# Altium PCB UZ_A_Testboard.PcbDoc (part 1 of 2)
Units mm, origin at the board's own origin, x right, y up, seen from the top; angles counter-clockwise.
Board outline 160 x 100 mm, 4 copper layers (L01_TopLayer, L02_GND, L03_VCC, L04_BottomLayer), stack 1.57 mm thick; 57 components, 80 nets, 503 pads, 305 vias.
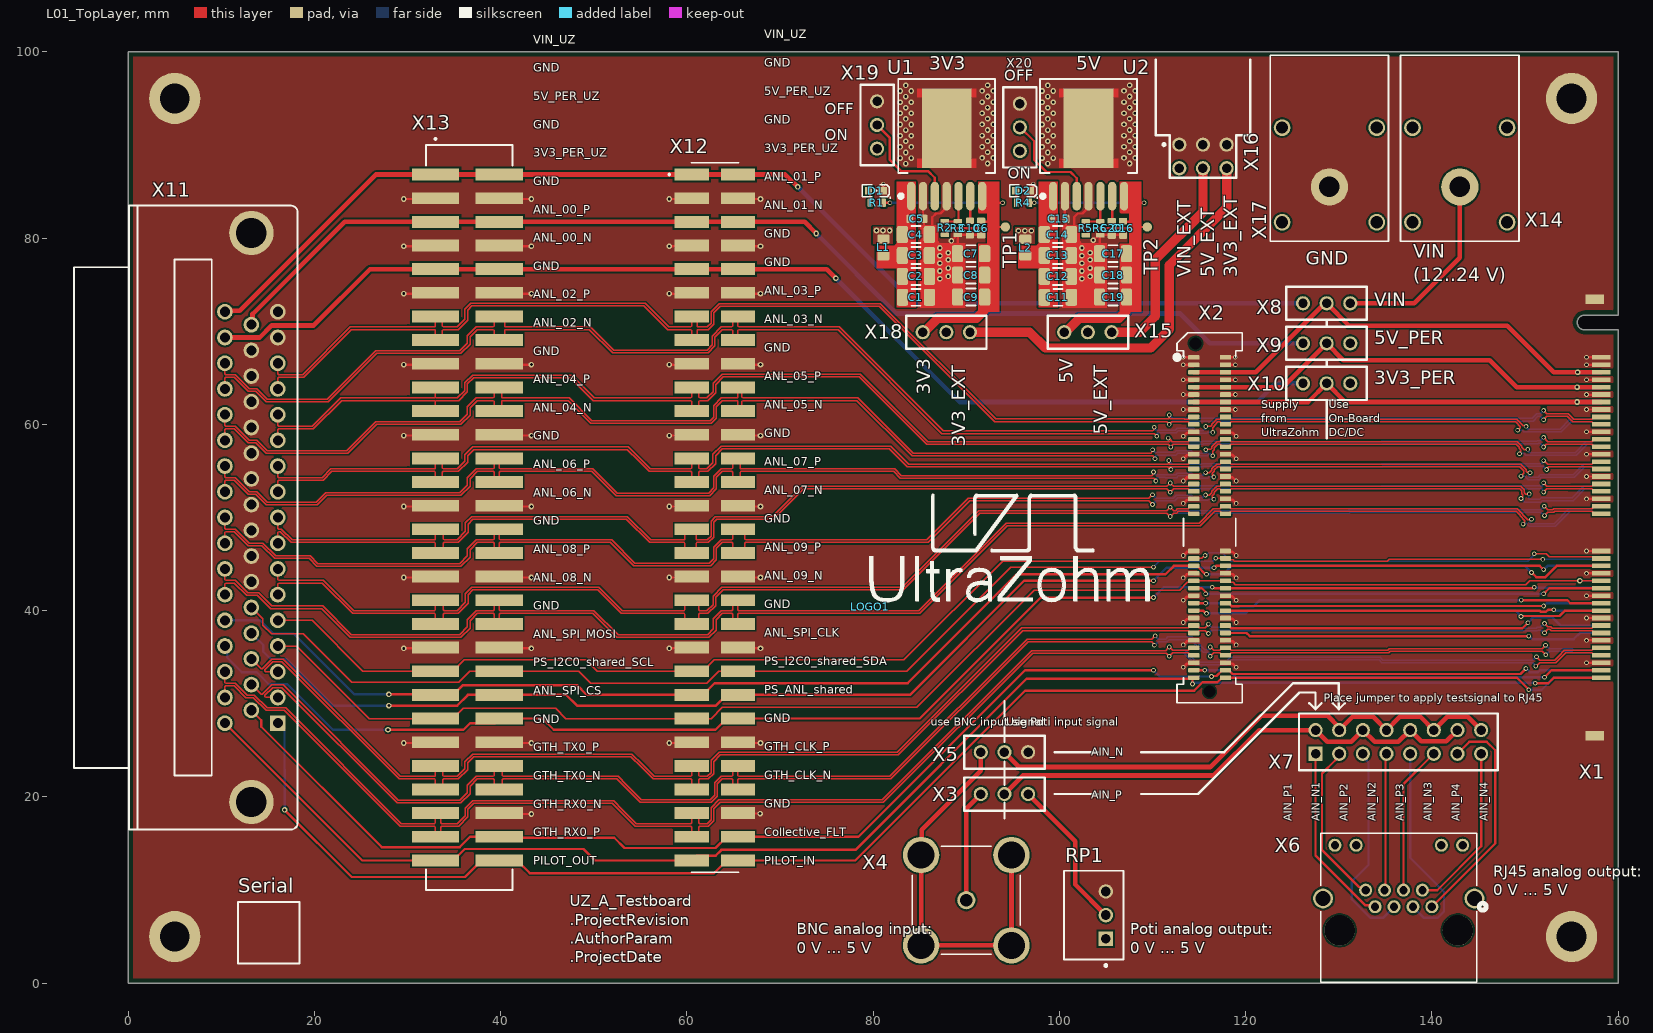
[diagram p0: L01_TopLayer view]
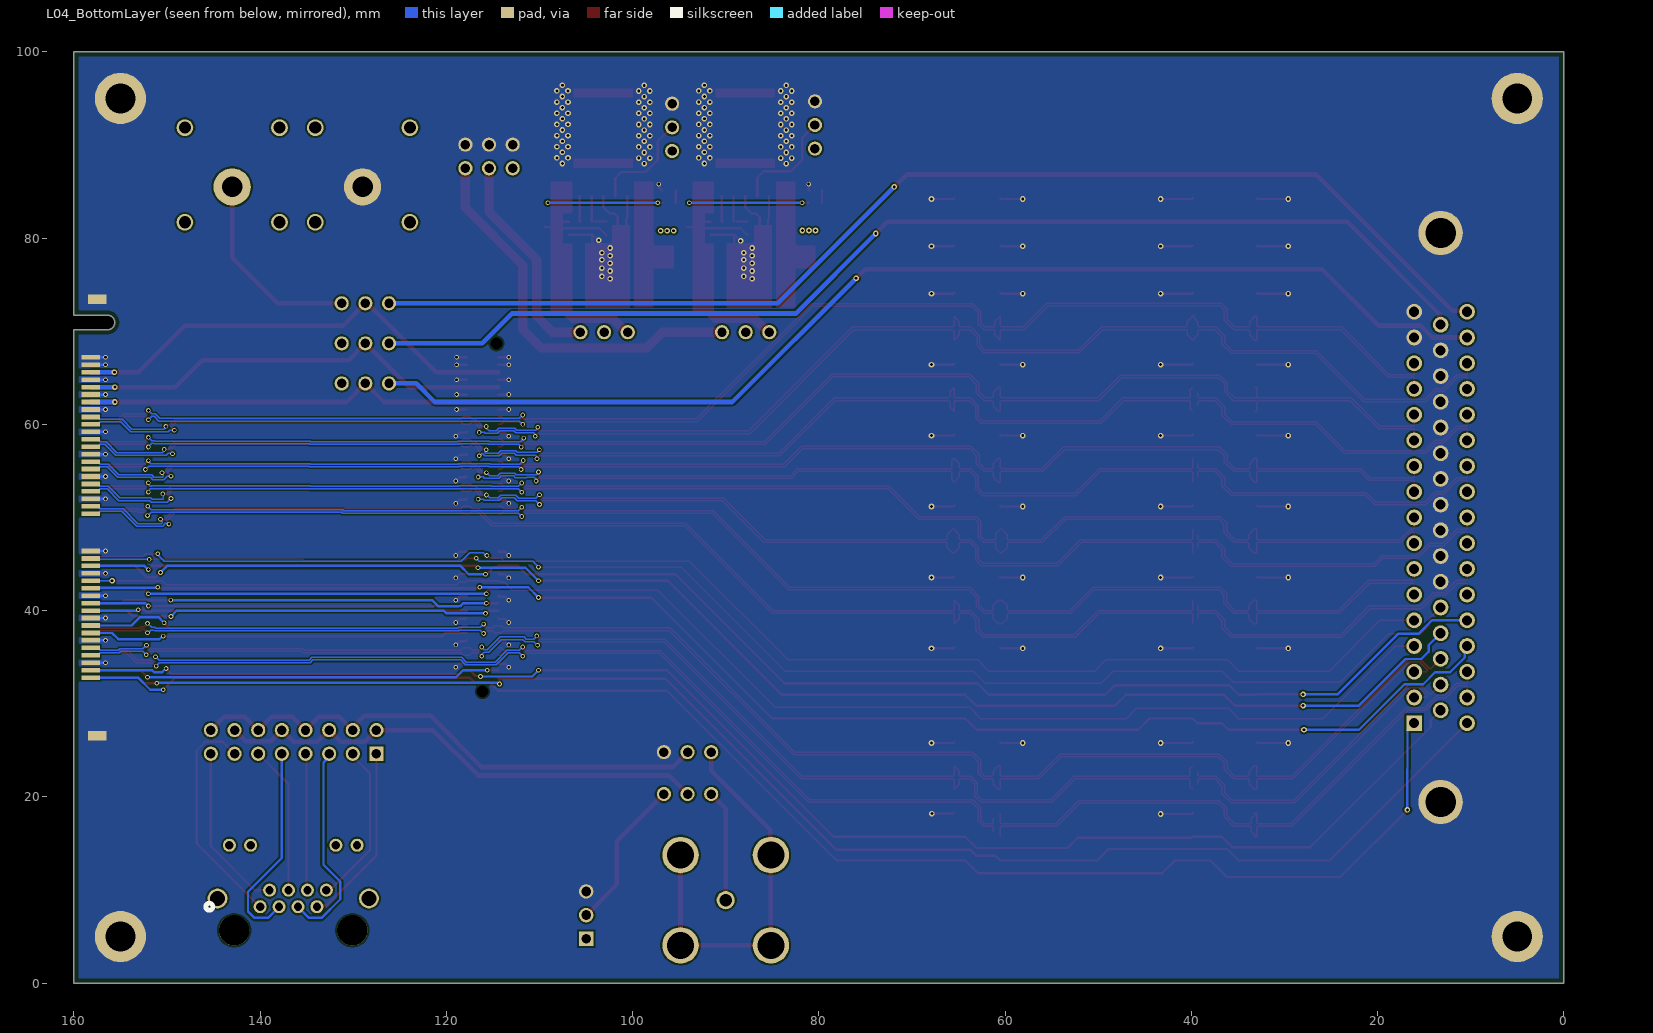
[diagram p1: L04_BottomLayer view, seen from below]
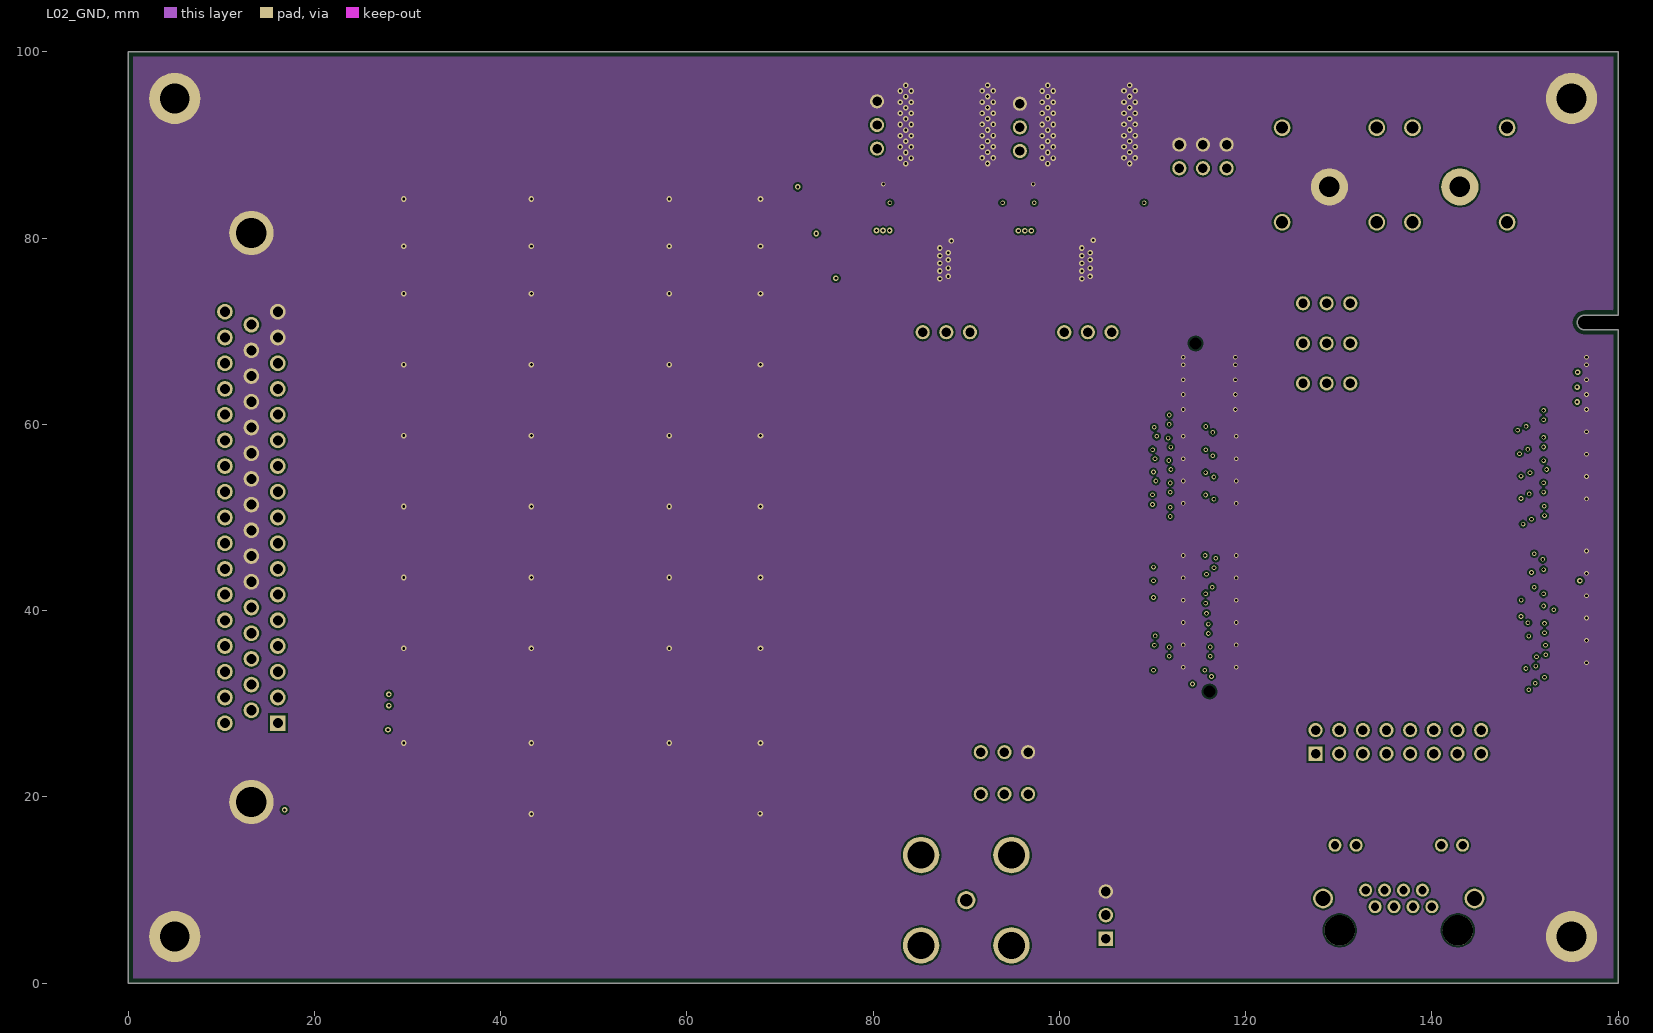
[diagram p2: L02_GND]
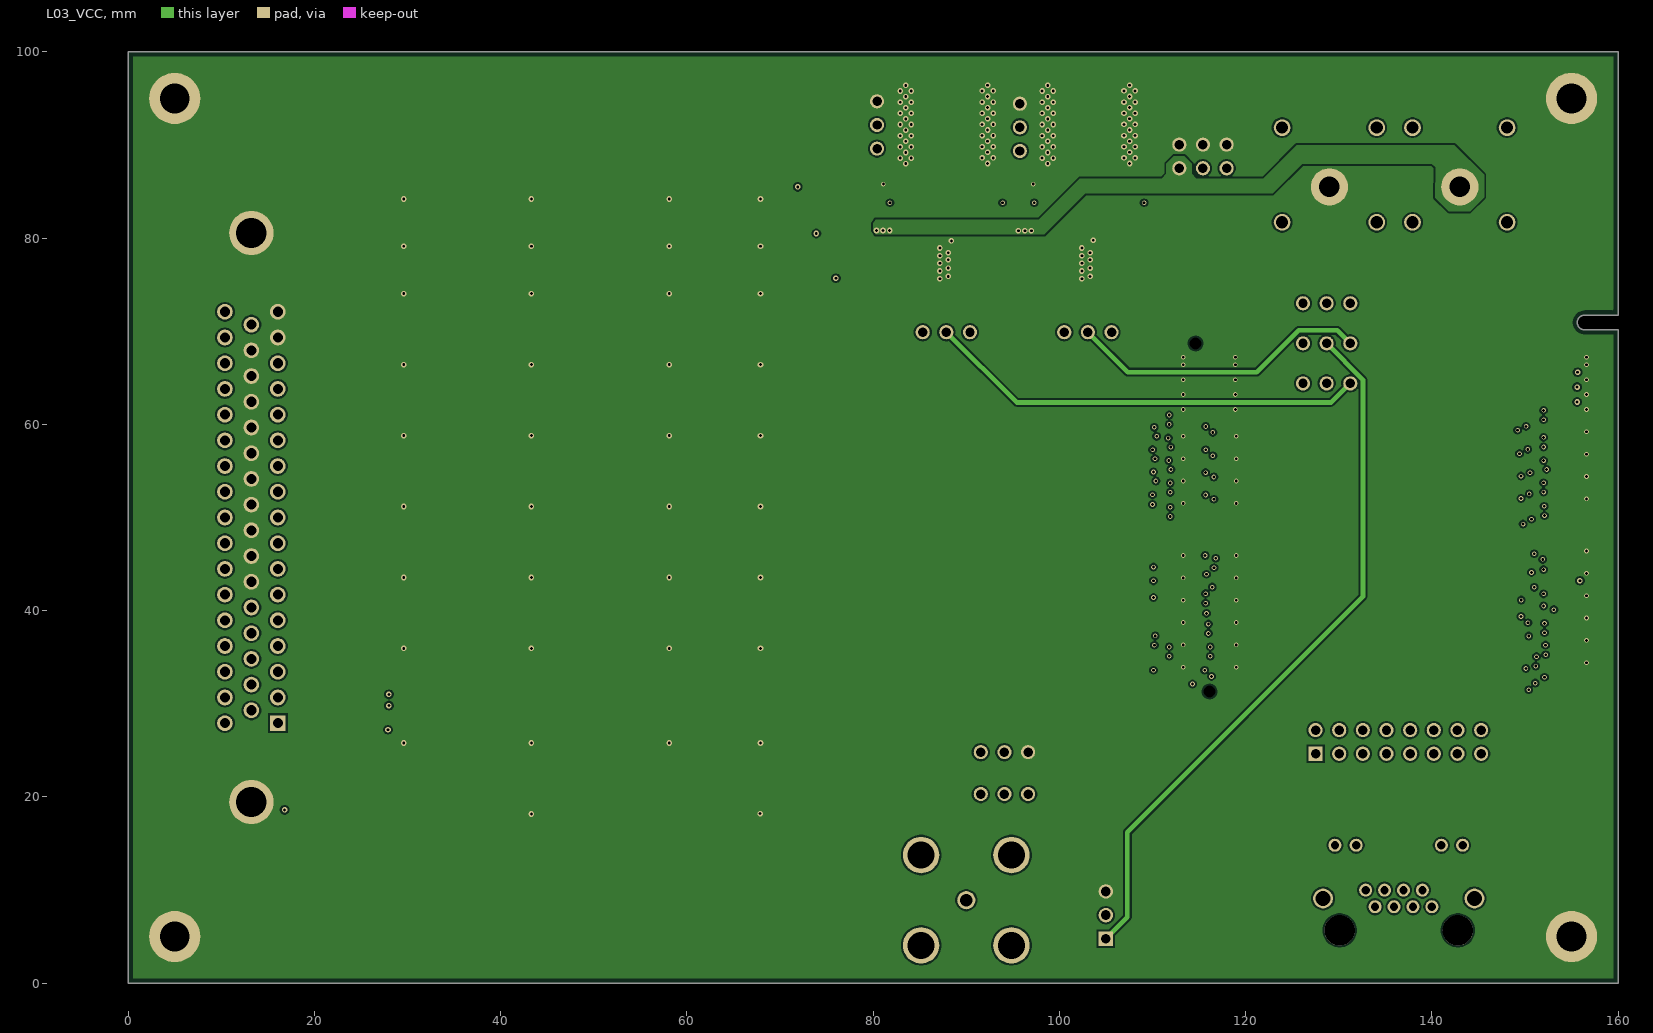
[diagram p3: L03_VCC]
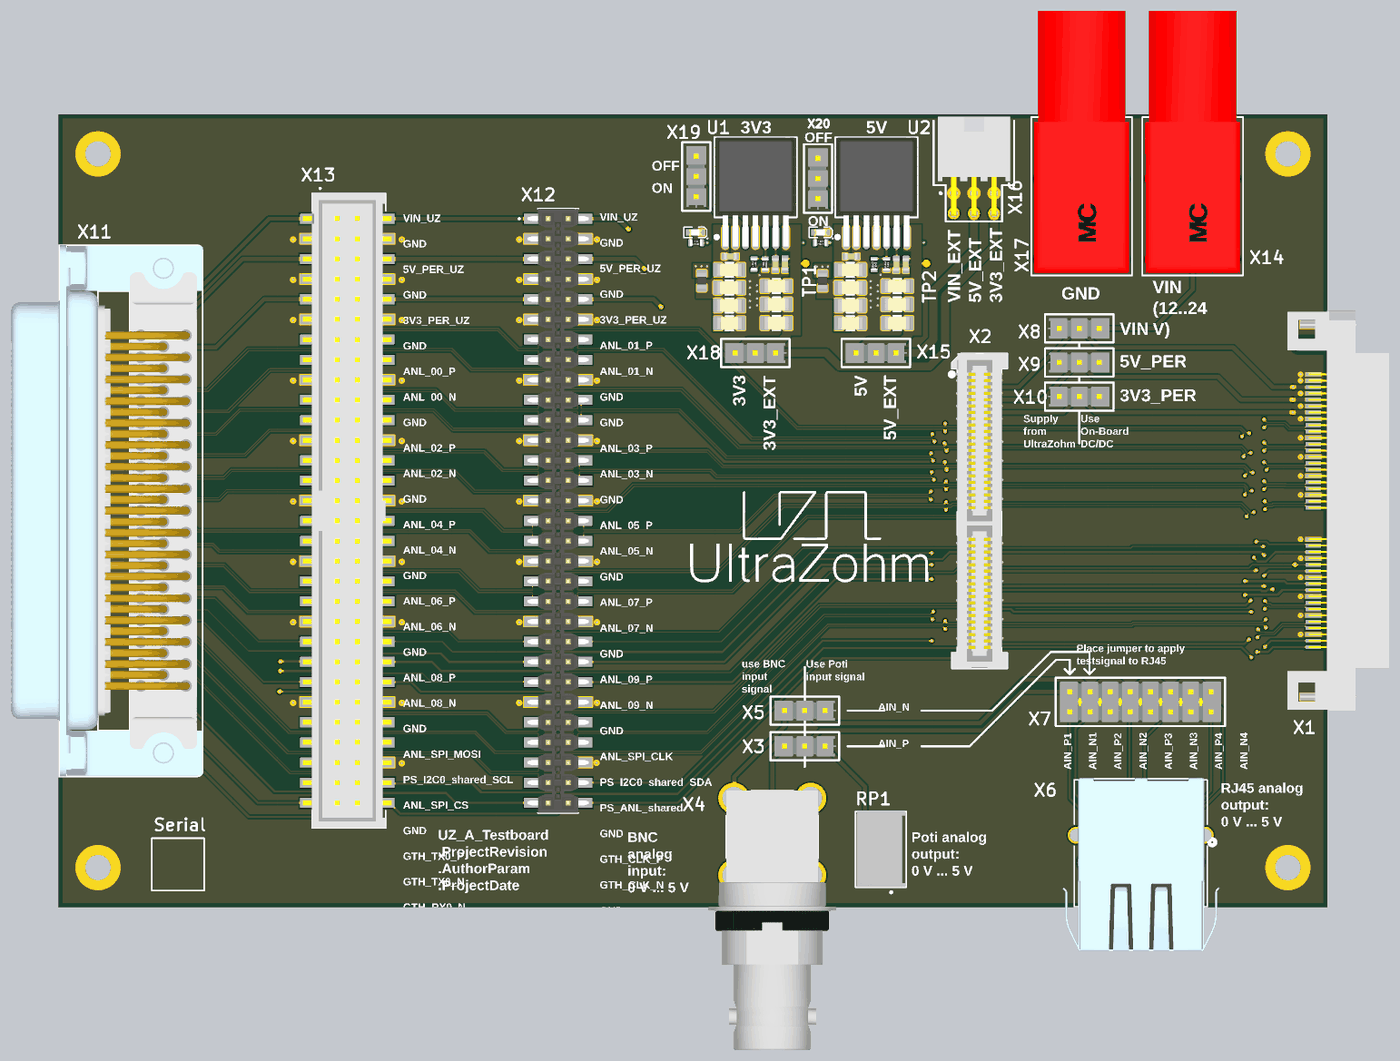
[diagram p5: 3D render of the assembled board from above, using the file's embedded part models]

## Layer stack, top to bottom
Top Mask: solder mask 0.015, Solder Resist, Dk 3.8
L01_TopLayer: signal copper 0.035
Dielectric 1: prepreg 0.2, 7628, Dk 4.6
L02_GND: signal copper 0.0175
Core: core 1.065, FR-4, Dk 4.5
L03_VCC: signal copper 0.0175
Dielectric 2: prepreg 0.2, 7628, Dk 4.6
L04_BottomLayer: signal copper 0.035
Bottom Mask: solder mask 0.015, Solder Resist, Dk 3.8

## Board outline
0,0 0,100 160,100 160,77.737 160,71.732 156.401,71.732 ccw(c156.401,70.945) 156.401,70.157 160,70.157 160,22.263 160,0

## Design rules (kind name [scope] priority, off if disabled: settings)
BoardOutlineClearance BoardOutlineClearance_TopOverlay [OnLayer('Top Overlay') or OnLayer('Bottom Overlay')] p1: gap=0 ignorepadtopadclearanceinfootprint=FALSE
BoardOutlineClearance [All] p2: gap=0.508 ignorepadtopadclearanceinfootprint=FALSE except(0: Arc-SplitContinuation Track-SplitContinuation SMDPad-SplitContinuation THPad-SplitContinuation Via-SplitContinuation Fill-SplitContinuation Poly-SplitContinuation Region-SplitContinuation Text-OutlineEdge Text-CavityEdge Text-CutoutEdge Text-SplitBarrior Text-SplitContinuation; 0.254: SMDPad-OutlineEdge SMDPad-CavityEdge SMDPad-CutoutEdge SMDPad-SplitBarrior)
Clearance [All] p1: gap=0.2 ignorepadtopadclearanceinfootprint=FALSE except(0: Arc-Text Track-Text SMDPad-Text THPad-Text Via-Text Fill-Text Poly-Text Region-Text Text-Text Text-Hole; 0.089: Arc-Arc Arc-Track Arc-SMDPad Track-Track Track-SMDPad; 0.127: SMDPad-SMDPad; 0.254: Arc-Via Track-Via; 0.5: THPad-THPad Via-Via)
ComponentClearance [All] p1: gap=0 collisioncheckmode=3 verticalgap=0 showdistances=FALSE
DiffPairsRouting DiffPairsRouting_D100 [All] p1: maxlimit=0.127 minlimit=0.127 mostfreqgap=0.127 toplayer_minwidth=0.15 toplayer_maxwidth=0.15 toplayer_prefwidth=0.15 midlayer1_minwidth=0.1 midlayer1_maxwidth=0.1 midlayer1_prefwidth=0.1 midlayer2_minwidth=0.1 midlayer2_maxwidth=0.1 midlayer2_prefwidth=0.1 bottomlayer_minwidth=0.15 bottomlayer_maxwidth=0.15 bottomlayer_prefwidth=0.15 impedanceprofiledriven=TRUE impedanceprofileid={72349CBB-9980-4A9D-947A-7B24EC7F9F79} impedanceprofilevalue=100.000000 maxuncoupledlength=12.7
HoleSize [All] p1: absolutevalues=TRUE maxlimit=6.3 minlimit=0.2 maxpercent=80.000 minpercent=20.000
MatchedLengths [All] p1: tolerance=0.254 checknetsindiffpair=TRUE checkdiffpairvsdiffpair=FALSE checkxsignals=FALSE checkothers=FALSE
MinimumSolderMaskSliver [All] p1: minsoldermaskwidth=0.089
PlaneConnect [All] p1: pad.planeconnectstyle=Relief pad.reliefexpansion=0.508 pad.reliefentries=4 pad.reliefconductorwidth=0.254 pad.reliefairgap=0.254 via.planeconnectstyle=Direct via.reliefexpansion=0.508 via.reliefentries=4 via.reliefconductorwidth=0.254 via.reliefairgap=0.254
PolygonConnect PolygonConnect_GND [InNet('GND')] p1 off: thpad.connectstyle=Relief thpad.reliefconductorwidth=0.254 thpad.reliefentries=4 thpad.polygonreliefangle="90 Angle" thpad.airgapwidth=0.254 smdpad.connectstyle=Relief smdpad.reliefconductorwidth=0.254 smdpad.reliefentries=4 smdpad.polygonreliefangle="90 Angle" smdpad.airgapwidth=0.254 via.connectstyle=Direct via.reliefconductorwidth=0.254 via.reliefentries=4 via.polygonreliefangle="90 Angle" via.airgapwidth=0.254
PolygonConnect [All] p2: connectstyle=Direct reliefconductorwidth=0.254 reliefentries=4 polygonreliefangle="90 Angle" airgapwidth=0.127
RoutingVias [All] p1: holewidth=0.2 width=0.4 viastyle="Through Hole" minholewidth=0.2 minwidth=0.4 maxholewidth=0.8 maxwidth=1.6
SilkToSilkClearance [All] p1: silktosilkclearance=0
SilkToSolderMaskClearance [IsPad] p1: minsilkscreentomaskgap=0 clearancetoexposedcopper=TRUE
SolderMaskExpansion [All] p1: expansion=0.102 istentingtop=FALSE
Width [All] p1: maxlimit=5 minlimit=0.1 preferedwidth=0.254 minimp=50.000000 maximp=50.000000 favimp=50.000000
Width Width_S75 [InNetClass('S75')] p2: maxlimit=0.15 minlimit=0.084 preferedwidth=0.125 toplayer_minwidth=0.15 toplayer_prefwidth=0.15 midlayer1_maxwidth=0.084 midlayer1_prefwidth=0.084 midlayer2_maxwidth=0.084 midlayer2_prefwidth=0.084 bottomlayer_minwidth=0.125 bottomlayer_maxwidth=0.125 impedanceprofiledriven=TRUE impedanceprofileid={37839698-503A-4FCE-8D27-9FEA66CA10C0} impedanceprofilevalue=75.000000 minimp=50.000000 maximp=50.000000 favimp=50.000000
23 further rules are at their usual default settings.

## Classes and differential pairs
net class S75: ANL_SPI_CLK ANL_SPI_CS ANL_SPI_MOSI
net class HS: GTH_CLK_N GTH_CLK_P GTH_RX0_N GTH_RX0_P GTH_TX0_N GTH_TX0_P
component class U_Analog_Testvoltage_Output: RP1 X3 X4 X5 X6 X7
component class Topsheet: LOGO1 Serial
net class PWR: 3V3 5V NetC1_1 NetC11_1
component class U_Power_Supply: C1 C2 C3 C4 C5 C6 C7 C8 C9 C10 C11 C12 C13 C14 C15 C16 C17 C18 C19 C20 D1 D2 L1 L2 R1 R2 R3 R4 R5 R6 TP1 TP2 U1 U2 X14 X15 X16 X17 X18 X19 X20
component class U_Breakout_Connector: X8 X9 X10 X11 X12 X13
component class U_Adapter_Card_Connector: X1 X2
differential pair GTH_TX0: +GTH_TX0_P -GTH_TX0_N
differential pair GTH_RX0: +GTH_RX0_P -GTH_RX0_N
differential pair GTH_CLK: +GTH_CLK_P -GTH_CLK_N
differential pair ANL_09: +ANL_09_P -ANL_09_N
differential pair ANL_08: +ANL_08_P -ANL_08_N
differential pair ANL_07: +ANL_07_P -ANL_07_N
differential pair ANL_06: +ANL_06_P -ANL_06_N
differential pair ANL_05: +ANL_05_P -ANL_05_N
differential pair ANL_04: +ANL_04_P -ANL_04_N
differential pair ANL_03: +ANL_03_P -ANL_03_N
differential pair ANL_02: +ANL_02_P -ANL_02_N
differential pair ANL_01: +ANL_01_P -ANL_01_N
differential pair ANL_00: +ANL_00_P -ANL_00_N

## Components (designator, comment, footprint, x,y, rotation, side; value= is the part's Value field where it differs from the comment)
C1 "10µF" CAPC3216X180N_V 84.596,73.643 r90 top value=10u
C2 "10µF" CAPC3216X180N_V 84.59,75.885 r90 top value=10u
C3 "10µF" CAPC3216X180N_V 84.589,78.136 r90 top value=10u
C4 "10µF" CAPC3216X180N_V 84.589,80.387 r90 top value=10u
C5 "100nF" CAPC1608X90N_V 84.706,82.072 r270 top value=100n
C6 "470nF" CAPC1608X90N_V 91.606,81.077 r0 top value=470n
C7 "100µF" CAPC3216X180N_V 90.521,78.33 r270 top value=100u
C8 "100µF" CAPC3216X180N_V 90.521,76.027 r270 top value=100u
C9 "100µF" CAPC3216X180N_V 90.521,73.672 r270 top value=100u
C10 "220nF" CAPC1608X90N_V 90.389,81.077 r0 top value=220n
C11 "10µF" CAPC3216X180N_V 99.836,73.643 r90 top value=10u
C12 "10µF" CAPC3216X180N_V 99.83,75.885 r90 top value=10u
C13 "10µF" CAPC3216X180N_V 99.829,78.136 r90 top value=10u
C14 "10µF" CAPC3216X180N_V 99.829,80.387 r90 top value=10u
C15 "100nF" CAPC1608X90N_V 99.946,82.072 r270 top value=100n
C16 "470nF" CAPC1608X90N_V 106.846,81.053 r0 top value=470n
C17 "100µF" CAPC3216X180N_V 105.761,78.33 r270 top value=100u
C18 "100µF" CAPC3216X180N_V 105.761,76.027 r270 top value=100u
C19 "100µF" CAPC3216X180N_V 105.761,73.672 r270 top value=100u
C20 "220nF" CAPC1608X90N_V 105.629,81.053 r0 top value=220n
D1 "LED Red" WL-SMCW_0603 80.3,85.1 r180 top
D2 "LED Blue" WL-SMCW_0603 96.1,85.1 r180 top
L1 "WE-CBF" INDC2012X92N_V 81.105,79.009 r180 top
L2 "WE-CBF" INDC2012X92N_V 96.343,78.985 r180 top
LOGO1 "UZ Logo" UZ_Logo_small 79.7,40.4 r0 top
R1 "1K" RESC1608X55N_V 80.4,83.8 r90 top
R2 "4K7" RESC1608X55N_V 87.7,81.1 r0 top value=4.7K
R3 "1K5" RESC1608X55N_V 89.099,81.077 r180 top value=1.5K
R4 "1K5" RESC1608X55N_V 96.1,83.8 r90 top value=1.5K
R5 "8K06" RESC1608X55N_V 102.836,81.052 r0 top value=8.06K
R6 "1K5" RESC1608X55N_V 104.4,81.053 r0 top value=1.5K
RP1 "10k" BOURNS_3299W-3_V 103.7,7.3 r90 top
Serial "Serialnumber 6,3 x 6.3mm" Serial_6.3x6.3mm 15.1,5.4 r180 top
TP1 "Testpoint 1mm" TP_1mm 94.199,81.197 r0 top
TP2 "Testpoint 1mm" TP_1mm 109.439,81.197 r0 top
U1 "171050601" 7TO-PMOD 87.895,90.209 r90 top
U2 "171050601" 7TO-PMOD 103.135,90.209 r90 top
X1 "HSEC8-140-01-L-D-EM2" HSEC8-140-01-L-D-EM2 158.2,50 r270 top locked
X2 "HTEC8-140-01-L-DV-K" HTEC8-140-XX-X-DV 116.131,50 r270 top
X3 "TSW-103-07-F-S" TSW-103-XX-XXX-S 94.1,20.3 r180 top
X4 "BNC" SAMTEC_BNC7T-J-P-XX-RA-BH1 90,8.9 r180 top
X5 "TSW-103-07-F-S" TSW-103-XX-XXX-S 94.1,24.8 r180 top
X6 "RJHSE-5381" RJ45_RJHSE-5384_AMP 140,8.2 r0 top
X7 "TSW-108-07-F-D" TSW-108-XX-XXX-D 136.4,25.9 r0 top
X8 "TSW-103-07-F-S" TSW-103-XX-XXX-S 128.7,73 r0 top
X9 "TSW-103-07-F-S" TSW-103-XX-XXX-S 128.7,68.7 r0 top
X10 "TSW-103-07-F-S" TSW-103-XX-XXX-S 128.7,64.4 r0 top
X11 "164A18759X" dsub50_female_164A18759X 16.069,72.088 r270 top
X12 "TSM-130-01-F-DV" TSM-130-01-F-DV 63,50 r90 top
X13 "HTSS-130-01-L-DV" HTSS-130-01-L-DV 33,86.83 r270 top
X14 "23.3200-22" "Bannanenbuchse Rot Stäubli 23.3200-22" 143,85.5 r180 top
X15 "TSW-103-07-F-S" TSW-103-XX-XXX-S 103.06,69.9 r180 top
X16 "IPL1-103-01-L-D-RA-K" IPL1-103-01-L-D-RA-K 115.418,99.695 r0 top
X17 "23.3200-21" "Bannanenbuchse Schwarz Stäubli 23.3200-21" 129,85.5 r180 top
X18 "TSW-103-07-F-S" TSW-103-XX-XXX-S 87.86,69.9 r180 top
X19 "TSW-103-07-F-S" TSW-103-XX-XXX-S 80.416,92.151 r90 top
X20 "TSW-103-07-F-S" TSW-103-XX-XXX-S 95.758,91.897 r90 top
